# Altium PCB PCB1.PcbDoc (part 2 of 2)
Units mil, origin at the board's own origin, x right, y up, seen from the top; angles counter-clockwise.
Board outline 7330 x 4600 mil, 4 copper layers (Top Layer, GND1, GND2, Bottom Layer), stack 23.756 mil thick; 61 components, 109 nets, 616 pads, 1059 vias.
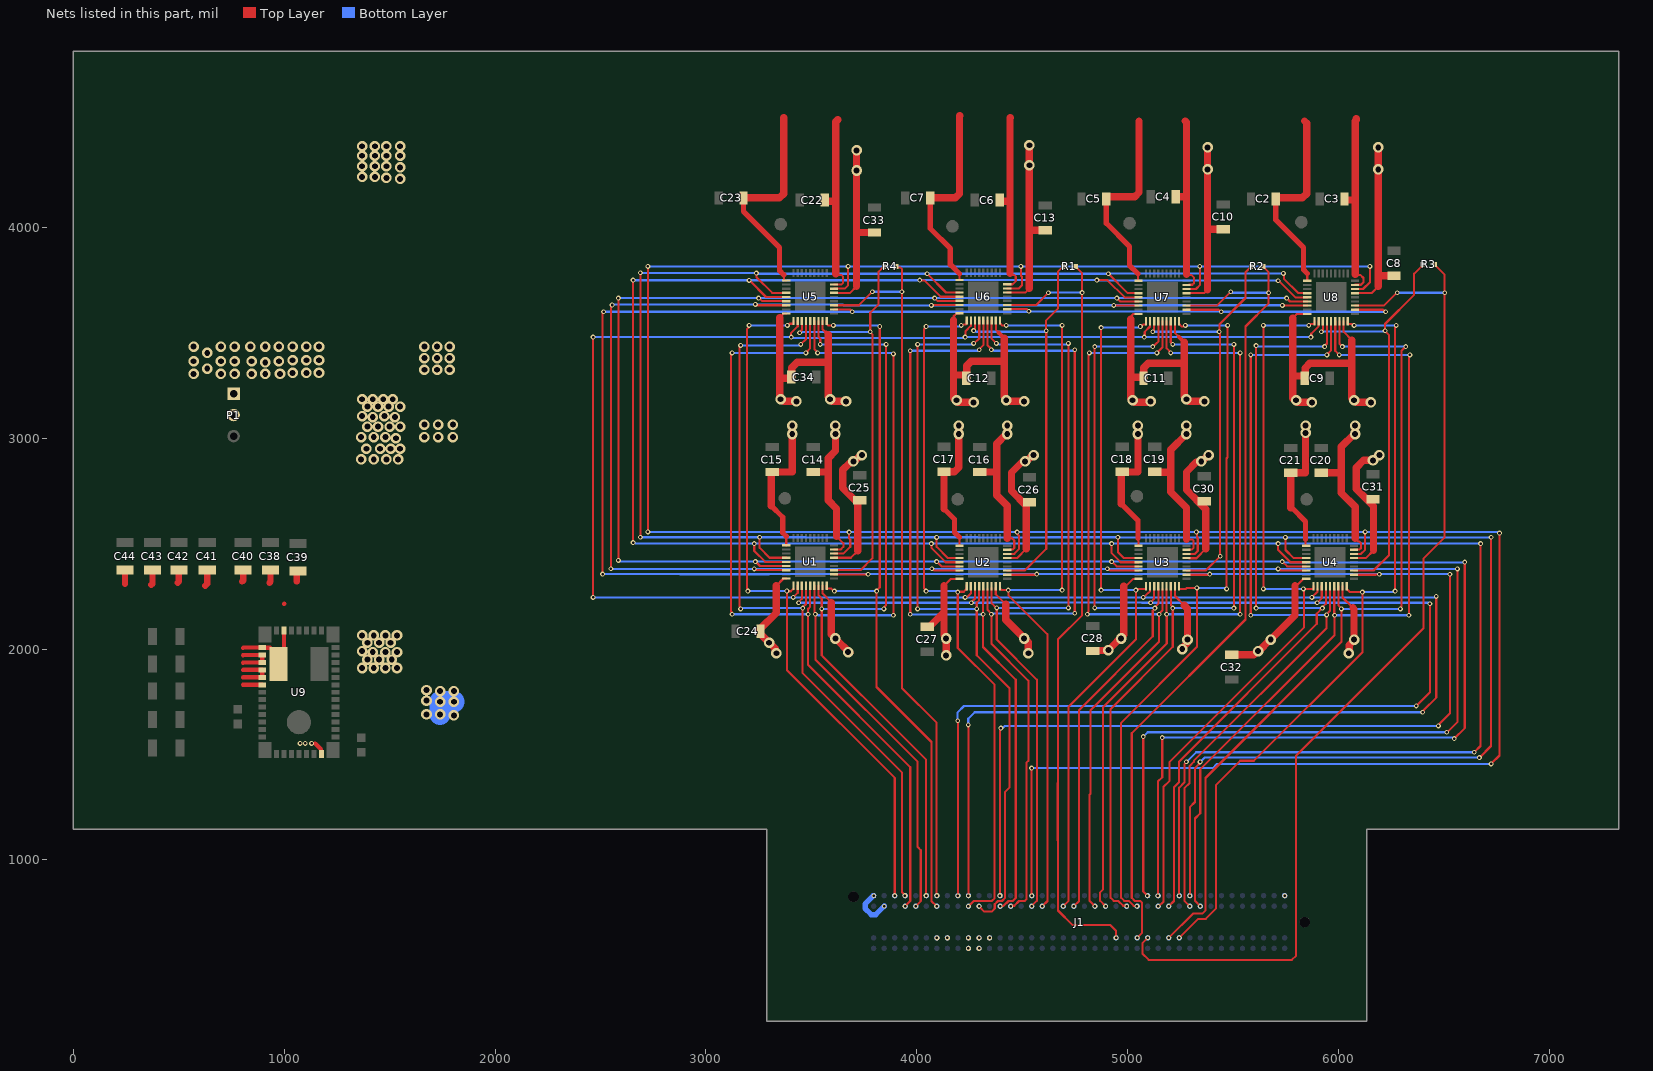
[diagram p4: the nets of this part, all layers, seen from the top]

## Via types
v1: diameter 23, hole 11.9, Top Layer to Bottom Layer, 607 vias
v2: diameter 50/50/50/50 (per signal layer), hole 28, Top Layer to Bottom Layer, 362 vias
v3: diameter 22.1, hole 11.9, Top Layer to Bottom Layer, 76 vias
v4: diameter 23.62, hole 11.81, Top Layer to Bottom Layer, 14 vias

## Nets (pads, with @x,y where several pads share a name; then routed paths per layer and width w, separated by ;. In a path a pad name is that pad's centre, name@x,y a point inside that pad or via, vN(x,y) a via of type N, cw(c..) or ccw(c..) an arc to the next point about the centre after c; other vN are vias at no path point) (continued)
ROW_ADDR<2>_QFN: J1.H10 U1.4 U2.4 U3.4 U4.4 U5.4 U6.4 U7.4 U8.4 | length 12837.9
  Top Layer w10: v1(2690,2530) v1(2690,3785) ; v1(3240,3783.39) 3240,3765 3315.31,3689.69 U5.4@3381.61,3689.69 ; v1(3254.72,2530) 3255,2529.72 3255,2480 3301.93,2433.07 U1.4@3381.61,2433.07 ; v1(4050,3780) 4139.06,3690.95 U6.4@4203.23,3690.95 ; v1(4094.72,2529.72) 4095,2529.45 4095,2485 4148.7,2431.3 U2.4@4202.87,2431.3 ; v1(4910,3780) 5001.93,3688.07 U7.4@5052.87,3688.07 ; v1(4954.73,2530) 4954.73,2460.28 4983.71,2431.29 U3.4@5039.29,2431.29 ; v3(5295.18,830) 5296.03,830.86 5296.03,1249.88 5320.27,1274.12 5320.27,1435.2 5338.51,1453.43 5338.51,1454.73 5345.09,1461.32 v1(5345.09,1464.34) ; v1(5740,3781.77) 5742.14,3779.63 5742.14,3757.2 5811.27,3688.07 U8.4@5852.87,3688.07 ; v1(5749.73,2529.72) 5750,2529.45 5750,2470 5788.7,2431.3 U4.4@5847.87,2431.3 ; v1(6670,1485) 6725,1540 v1(6725,2530)
  Bottom Layer w10: v1(2690,2530) v1(3254.72,2530) 3475.04,2530 3475.32,2529.72 3782.44,2529.72 3782.71,2530 4094.45,2530 v1(4094.72,2529.72) ; v1(2690,3785) 2690.81,3784.19 3239.19,3784.19 3242.14,3781.24 3250.05,3781.24 3251.3,3780 v1(4050,3780) v1(4910,3780) 4910.89,3780.89 5739.11,3780.89 v1(5740,3781.77) ; v1@4094.72,2530 4288.62,2530 4288.89,2529.72 4619.09,2529.72 4619.36,2530 v1(4954.73,2530) 4954.86,2529.86 5749.59,2529.86 v1(5749.73,2529.72) ; v1(5345.09,1464.34) 5365.75,1485 v1(6670,1485) ; v1@5750,2530 5750.14,2529.86 6724.86,2529.86 v1(6725,2530)
ROW_ADDR<3>_QFN: J1.H11 U1.5 U2.5 U3.5 U4.5 U5.5 U6.5 U7.5 U8.5 | length 12964.3
  Top Layer w10: v1(2655,2505) v1(2655,3750) ; v1(3205,3748.74) 3207,3748.74 3285.74,3670 U5.5@3381.61,3670 ; v1(3229.72,2500) 3230,2499.72 3230,2465 3281.61,2413.39 U1.5@3381.61,2413.39 ; v1(4015,3750) 4017.14,3747.86 4037.89,3747.86 4114.48,3671.26 U6.5@4203.23,3671.26 ; v1(4070,2500) 4070,2480 4138.39,2411.61 U2.5@4202.87,2411.61 ; v1(4855,3750.28) 4855.27,3750 4905,3750 4986.61,3668.39 U7.5@5052.87,3668.39 ; v1(4925,2500) 4925,2455 4968.39,2411.61 U3.5@5052.87,2411.61 ; v3(5245.52,830) 5245.52,1342.03 5270.27,1366.78 5270.27,1452.72 5279.76,1462.21 v1(5279.76,1465.24) ; v1(5715,2500) 5715,2470 5773.39,2411.61 U4.5@5847.87,2411.61 ; v1(5715,3747.13) 5717.87,3747.13 5796.61,3668.39 U8.5@5852.87,3668.39 ; v1(6645,1510.28) 6675,1540.28 v1(6675,2500)
  Bottom Layer w10: v1(2655,2505) 2657.14,2502.86 2664.65,2502.86 2667.51,2500 v1(3229.72,2500) ; v1(2655,3750) 2655.63,3749.37 3204.37,3749.37 v1(3205,3748.74) 3205.63,3749.37 4014.37,3749.37 4015.14,3750.14 4015.28,3750 4589.26,3750 4589.53,3750.28 v1(4855,3750.28) ; v1@3230,2500 v1(4070,2500) v1(6675,2500) ; v1@4855,3750 4856.44,3748.56 5713.56,3748.56 v1(5715,3747.13) ; v1(5279.76,1465.24) 5280.98,1465.24 5326.02,1510.28 v1(6645,1510.28)
ROW_ADDR<4>_QFN: J1.H13 U1.6 U2.6 U3.6 U4.6 U5.6 U6.6 U7.6 U8.6 | length 12446.8
  Top Layer w10: v1(2585,2420) v1(2585,3665) ; v1(3235,2415) 3235.65,2415 3256.95,2393.7 U1.6@3381.61,2393.7 ; v1(3250,3665) 3253.03,3665 3267.71,3650.32 U5.6@3381.61,3650.32 ; v1(4085,3665) 4098.43,3651.57 U6.6@4203.23,3651.57 ; v1(4095,2415) 4118.07,2391.93 U2.6@4202.87,2391.93 ; v1(4925,2415) 4926.23,2415 4949.3,2391.92 U3.6@5052.87,2391.93 ; v1(4950,3665) 4966.3,3648.7 U7.6@5052.87,3648.7 ; v3(5145,830) 5145,834.62 5145.14,834.75 5145.14,1372.11 5165,1391.97 v1(5165,1580) ; v1(5734.63,2414.63) 5757.33,2391.93 U4.6@5847.87,2391.93 ; v1(5755,3665) 5771.3,3648.7 U8.6@5852.87,3648.7 ; v1(6550,1575.28) 6550.27,1575.28 6600,1625 v1(6600,2412.03)
  Bottom Layer w10: v1(2585,2420) 2587.14,2417.86 2594.65,2417.86 2597.51,2415 v1(3235,2415) v1(4095,2415) v1(4925,2415) 4925.27,2414.72 5734.73,2414.72 5735,2415 5737.51,2412.49 5740.03,2412.49 5742.51,2410 6597.97,2410 v1(6600,2412.03) ; v1(2585,3665) v1(4950,3665) v1(5755,3665) ; v1(5165,1580) 6542.25,1580 6546.97,1575.28 v1(6550,1575.28)
ROW_ADDR<5>_QFN: J1.H14 U1.7 U2.7 U3.7 U4.7 U5.7 U6.7 U7.7 U8.7 | length 12555.8
  Top Layer w10: v1(2550,2380.55) 2550,3626.97 v1(2555,3631.97) ; v1(3229.72,2380) 3232.75,2380 3238.74,2374.02 U1.7@3381.61,2374.02 ; v1(3235,3635) 3238.03,3635 3242.4,3630.63 U5.7@3381.61,3630.63 ; v1(4070,3630) 4071.89,3631.89 U6.7@4203.23,3631.89 ; v1(4072.14,2380.55) 4075.17,2380.55 4083.47,2372.24 U2.7@4202.87,2372.24 ; v1(4905,2380.55) 4907.14,2378.41 4911.59,2378.41 4917.76,2372.24 U3.7@5052.87,2372.24 ; v1(4935,3630) 4935.98,3629.02 U7.7@5052.87,3629.02 ; v1(5075.1,1584.35) 5075.1,850.08 v3(5095.18,830) ; v1(5715,2380.28) 5718.03,2380.28 5726.06,2372.24 U4.7@5847.87,2372.24 ; v1(5735,3630) 5735.98,3629.02 U8.7@5852.87,3629.02 ; v1(6515,1605.28) 6517.25,1605.28 6565,1653.03 v1(6565,2380)
  Bottom Layer w10: v1(2550,2380.55) 2550.27,2380.27 3229.45,2380.27 v1(3229.72,2380) 3230.27,2380.55 v1(4072.14,2380.55) ; v1(2555,3631.97) 2556.51,3633.49 3233.49,3633.49 v1(3235,3635) 3649.09,3635 3653.77,3630.32 4069.68,3630.32 4070,3630.63 4935,3630.63 v1@5735,3630.63 ; v1@4072.42,2380.27 4072.69,2380.55 5400.98,2380.55 5401.53,2380 5714.73,2380 v1(5715,2380.28) ; v1(5075.1,1584.35) 5096.02,1605.28 v1(6515,1605.28) ; v1@5715,2380 5962.65,2380 5962.99,2380.34 6261.24,2380.34 6261.58,2380 v1(6565,2380)
SAMPLE_CLK_QFN: J1.H31 U1.11 U2.11 U3.11 U4.11 U5.11 U6.11 U7.11 U8.11 | length 12811.5
  Top Layer w10: v1(2465,2245) v1(2465,3480) ; v1(3405,3480) 3405,3500 3435.95,3530.95 U5.11@3435.95,3556.61 ; v1(3415,2245) 3415,2245.61 3435.94,2266.55 U1.11@3435.95,2300 ; v1(4230,3480) 4232.14,3482.14 4232.14,3507.86 4257.55,3533.27 U6.11@4257.56,3557.87 ; v1(4230.27,2245) 4232.42,2247.14 4240.72,2247.14 4257.21,2263.63 U2.11@4257.21,2284.65 ; v1(4244.73,1639.72) 4245.38,1639.07 4245.38,830.65 v3(4246.03,830) ; v1(5075,2245) 5077.14,2245 5097.11,2264.97 5098.54,2264.97 5107.2,2273.62 U3.11@5107.2,2284.65 ; v1(5080,3480) 5082.14,3482.14 5082.14,3504.62 5107.2,3529.68 U7.11@5107.2,3555 ; v1(5870,3480) 5872.14,3482.14 5872.14,3495.34 5907.2,3530.4 U8.11@5907.2,3555 ; v1(5875,2245) 5901.61,2271.61 U4.11@5901.61,2284.65 ; v1(6400,1700) 6400,1703.03 6405.6,1708.62 6405.6,1710.6 6464.73,1769.72 v1(6464.73,2250)
  Bottom Layer w10: v1(2465,2245) v1(3415,2245) v1(4230.27,2245) v1(5075,2245) v1(5875,2245) 6456.7,2245 6461.7,2250 v1(6464.73,2250) ; v1(2465,3480) v1(3405,3480) 3408.03,3480 3413.3,3474.72 4221.7,3474.72 4226.97,3480 v1(4230,3480) v1(5080,3480) v1(5870,3480) ; v1(4244.73,1639.72) 4244.73,1669.72 4275,1700 v1(6400,1700)
SCAN_CHAIN_IN_QFN: J1.H32 U1.12 U2.12 U3.12 U4.12 | length 6888.7
  Top Layer w10: v1(3440,2219.72) 3440,2222.75 3455.63,2238.38 U1.12@3455.63,2300 ; v1(4195,1660) 4195.52,1659.48 4195.52,830.52 v3(4196.03,830) ; v1(4260,2219.72) 4260,2222.75 4276.89,2239.64 U2.12@4276.89,2288.23 ; v1(5110,2219.72) 5110,2222.75 5126.89,2239.64 U3.12@5126.89,2284.65 ; v1(5900,2219.72) 5921.89,2241.61 U4.12@5921.89,2298.23 ; v1(6370,1730) 6435,1795 v1(6435,2215)
  Bottom Layer w10: v1(3440,2219.72) v1(4260,2219.72) 4353.71,2219.72 4353.98,2220 5070,2220 5070.27,2219.72 v1(5110,2219.72) v1(5900,2219.72) ; v1(4195,1660) 4194.73,1660.28 4194.73,1699.72 4225,1730 v1(6370,1730) ; v1@5900.27,2219.72 6427.25,2219.72 6431.97,2215 v1(6435,2215)
SCAN_CHAIN_OUT_PIPE1_QFN: J1.H34 R4.1 U5.21 | length 3420.8
  Top Layer w10: U5.21@3608.39,3630.63 3725.91,3630.63 v1(3790,3694.72) ; R4.1@3904.53,3815 3904.53,3814.41 3908.46,3810.47 3923.08,3810.47 3930,3803.55 v1@3930,3695 ; v1(3930,3694.72) 3930,1815 4095,1650 4095,831.03 v1(4096.03,830)
  Bottom Layer w10: v1(3790,3694.72) v1(3930,3694.72)
SCAN_CHAIN_OUT_PIPE2_QFN: J1.D17 R1.1 U6.21 | length 3845.4
  Top Layer w10: U6.21@4430,3631.89 4566.89,3631.89 4625,3690 v1(4625,3690.28) ; R1.1@4754.53,3815 4754.53,3813.03 4785,3782.56 v1(4785,3690.95) 4785,2160 4670.55,2045.55 4670.55,1364.53 4669.45,1363.43 4669.45,1091.92 4670.4,1090.97 4670.4,819.72 4670.86,819.26 4670.86,769.72 4670.55,769.41 4670.55,759.45 4740,690 4920,690 4946.03,663.97 v3(4946.03,630)
  Bottom Layer w10: v1(4625,3690.28) 4625.34,3690.61 4784.66,3690.61 v1(4785,3690.95)
SCAN_CHAIN_OUT_PIPE3_QFN: J1.D15 R2.1 U7.21 | length 3930
  Top Layer w10: v3(5046.03,630) 5070,653.97 5070,796.23 5061.56,804.67 5035.33,804.67 5020.35,819.65 5020.35,1229.26 5020.55,1229.46 5020.55,1600.55 5560,2140 5560,3530 5670,3640 v1(5670,3690) 5670,3787.56 5644.53,3813.03 R2.1@5644.53,3815 ; U7.21@5279.65,3629.02 5424.29,3629.02 v1(5490,3694.72)
  Bottom Layer w10: v1(5490,3694.72) 5493.03,3694.72 5497.75,3690 v1(5670,3690)
SCAN_CHAIN_OUT_PIPE4_QFN: J1.D14 R3.1 U8.21 | length 4868.8
  Top Layer w10: v3(5096.03,630) 5070.76,604.73 5070.76,555.76 5101.3,525.22 5780.22,525.22 5800,545 5800,1495 6405,2100 6405,2430 6505,2530 v1(6505,3690) 6505,3775 R3.1@6457.5,3822.5 ; U8.21@6079.65,3629.02 6215.94,3629.02 v1@6275,3688.07
  Bottom Layer w10: v1(6280,3690) v1(6505,3690)
SCAN_CHAIN_PIPE1_ROW1TO2_QFN: R4.2 U1.21 U5.12 | length 2019.3
  Top Layer w10: v1(3445,3500) 3445,3503.03 3455.63,3513.66 U5.12@3455.63,3556.61 ; U1.21@3608.39,2374.02 3734.02,2374.02 3790,2430 3790,3492.76 3780,3502.76 3780,3595 3820,3635 3820,3789.53 R4.2@3845.47,3815
  Bottom Layer w10: v1(3445,3500) 3447.14,3502.14 3455.05,3502.14 3455.94,3503.03 3769.84,3503.03 3769.95,3503.13 3777.86,3503.13 v1(3780,3505.28)
SCAN_CHAIN_PIPE2_ROW1TO2_QFN: R1.2 U2.21 U6.12 | length 2002.1
  Top Layer w10: v1(4270.3,3510.27) 4270.3,3511.19 4277.24,3518.13 U6.12@4277.24,3557.87 ; U2.21@4429.65,2372.24 4512.24,2372.24 4615,2475 v1@4615,3510 ; v1@4615,3510.28 4612.86,3512.42 4612.86,3557.86 4670,3615 4670,3789.53 R1.2@4695.47,3815
  Bottom Layer w10: v1(4270.3,3510.27) 4273.33,3510.27 4277.89,3505.72 4280.05,3505.72 4280.77,3505 4607.25,3505 4611.97,3509.72 v1(4615,3509.72)
SCAN_CHAIN_PIPE3_ROW1TO2_QFN: R2.2 U3.21 U7.12 | length 1995.6
  Top Layer w10: v1(5120,3505.28) 5120,3508.3 5126.89,3515.19 U7.12@5126.89,3555 ; U3.21@5279.65,2372.24 5371.73,2372.24 5439.77,2440.28 v1(5440,2440.28) 5440,3497.25 5435,3502.25 v1(5435,3505.28) ; v1@5435,3505 5437.14,3507.14 5437.14,3542.14 5560,3665 5560,3787.56 5585.47,3813.03 R2.2@5585.47,3815
  Bottom Layer w10: v1(5120,3505.28) 5120.14,3505.14 5434.86,3505.14 v1(5435,3505.28)
SCAN_CHAIN_PIPE4_ROW1TO2_QFN: R3.2 U4.21 U8.12 | length 2014.3
  Top Layer w10: v1(5920.51,3504.77) 5920.51,3507.79 5926.89,3514.17 U8.12@5926.89,3555 ; U4.21@6074.65,2372.24 6167.24,2372.24 6241.27,2446.28 6241.27,3487.71 6221.97,3507.01 v1(6221.97,3509.72) 6221.97,3541.97 6360,3680 6360,3780 6396.54,3816.54 6396.54,3821.06 R3.2@6400.47,3825
  Bottom Layer w10: v1(5920.51,3504.77) 5922.65,3506.91 5930.56,3506.91 5930.67,3507.01 6211.35,3507.01 6211.92,3507.58 6219.83,3507.58 v1(6221.97,3509.72)
SCANOUT_CLK_QFN: J1.H28 U1.20 U2.20 U3.20 U4.20 U5.20 U6.20 U7.20 U8.20 | length 13650.2
  Top Layer w10: v1(2510,2355.28) 2510,3591.97 2515,3596.97 v1(2515,3600) ; U1.20@3608.39,2354.33 v1@3769.99,2354.33 ; U5.20@3608.39,3610.95 3684.05,3610.95 v1(3695,3600) ; v3(4395.18,830.65) 4395.18,1617.15 4400,1621.97 v1(4400,1625) ; U2.20@4429.65,2352.56 4564.26,2352.56 4566.97,2355.28 v1(4570,2355.28) ; U6.20@4430,3612.2 4522.8,3612.2 v1(4532.88,3602.12) ; U3.20@5279.65,2352.56 5379.88,2352.56 5380.46,2353.13 5388.37,2353.13 v1(5390.51,2355.28) ; U7.20@5279.65,3609.33 5432.64,3609.33 5441.97,3600 v1(5445,3600) ; U4.20@6074.65,2352.56 6175.39,2352.56 6175.76,2352.93 6192.86,2352.93 v1(6195,2355.07) ; U8.20@6079.65,3609.33 6212.64,3609.33 6221.97,3600 v1(6225,3600) ; v1(6475,1635) 6475,1638.03 6480.6,1643.62 6480.6,1645.6 6530,1695 v1(6530,2354.72)
  Bottom Layer w10: v1(2510,2355.28) 2877.41,2355.27 2877.96,2354.72 3298.98,2354.72 3299.53,2355.27 3770,2355.27 v1(4570,2355.28) 5390,2355.28 5515,2355.28 5515.27,2355 6194.93,2355 v1(6195,2355.07) ; v1(2515,3600) v1(3695,3600) 4530.75,3600 v1(4532.88,3602.12) 4533.94,3601.06 5443.94,3601.06 v1(5445,3600) v1(6225,3600) ; v1(4400,1625) 4402.14,1627.14 4409.65,1627.14 4417.51,1635 v1(6475,1635) ; v1@6195.27,2355.28 6195.41,2355.14 6529.59,2355.14 v1(6530,2354.72)
  other v1: 3770,2355
SCL: J1.C30
  other v1: 4296.03,580
SDA: J1.C31
  other v1: 4246.03,580
TCK: J1.D29
  other v1: 4346.03,630
TDI: J1.D30
  other v1: 4296.03,630
TDO: J1.D31
  other v1: 4246.03,630
TMS: J1.D33
  other v1: 4146.03,630
TRST_L: J1.D34
  other v1: 4096.03,630
VADJ: C2.1 C3.1 C4.1 C5.1 C6.1 C7.1 C14.1 C15.1 C16.1 C17.1 C18.1 C19.1 C20.1 C21.1 C22.1 C23.1 J1.G39 J1.H40 P1.1 U1.1 U1.26 U2.1 U2.26 U3.1 U3.26 U4.1 U4.26 U5.1 U5.26 U6.1 U6.26 U7.1 U7.26 U8.1 U8.26 | length 13607.3
  Top Layer w10: 3370,3775 3370,3749.33 3370.59,3748.74 U5.1@3381.61,3748.74 ; U1.1@3381.61,2492.13 3381.61,2535 ; U1.26@3608.39,2472.44 3640.2,2472.44 3652.76,2485 3652.76,2502.24 3620,2535 ; U5.26@3608.39,3729.06 3643.08,3729.06 3650,3735.97 3650,3768.08 3643.08,3775 3620.04,3775 3615.61,3779.43 ; U2.1@4202.87,2490.35 4202.87,2530 ; U6.1@4203.23,3750 4203.23,3780 ; 4430,2525.59 4452.32,2525.59 4462.91,2515 4462.91,2479.33 4454.83,2471.26 U2.26@4443.23,2471.26 ; U6.26@4430,3730.32 4455.31,3730.32 4470,3745 4470,3768.08 4463.08,3775 4437.99,3775 4442.7,3779.71 4442.7,3781.28 ; 5050,2525 5052.87,2522.13 U3.1@5052.87,2490.35 ; 5050,3780 5050,3747.72 5050.59,3747.13 U7.1@5052.87,3747.13 ; U7.26@5279.65,3727.44 5292.64,3727.44 5293.23,3728.03 5308.03,3728.03 5315,3735 5315,3763.08 5303.08,3775 5283.4,3775 5280,3778.4 ; 5280,2521.04 5281.04,2520 5307.13,2520 5314.05,2513.08 5314.05,2480.47 5304.83,2471.26 U3.26@5293.23,2471.26 ; 5845,2520 5845,2490.94 5845.59,2490.35 U4.1@5847.87,2490.35 ; U8.1@5852.87,3747.13 5852.87,3781.77 ; U4.26@6074.65,2470.67 6075.24,2471.26 6099.83,2471.26 6107.91,2479.33 6107.91,2501.38 6099.28,2510 6095,2510 6080,2525 ; U8.26@6079.65,3727.44 6080.24,3728.03 6108.03,3728.03 6120,3740 6120,3760 6105,3775 6083.4,3775 6080,3778.4
  Top Layer w25: C23.1@3179.06,4140 3179.06,4075.94 3350,3905 3350,3795 3370,3775 ; 3310,2680.01 3365,2625.01 3365,2551.61 3381.61,2535 ; C7.1@4064.06,4140 4064.06,3995.94 4160,3900 4160,3823.23 4203.23,3780 ; 4130,2665.62 4180,2615.62 4180,2552.87 4202.87,2530 ; C5.1@4900,4135 4900,4020 5010,3910 5010,3820 5050,3780 ; 4970,2690 4970.35,2690 5050,2610.35 5050,2525 ; C2.1@5704.06,4135 5704.06,4035 5835,3904.06 5835,3799.65 5852.87,3781.77 ; 5775,2670 5780.35,2670 5845,2605.35 5845,2520
  Top Layer w35: C23.1@3179.06,4140 3349.5,4140 3370,4160.5 3370,4520 ; 3310,2680.01 3310,2837.81 3312.19,2840 C15.1@3315,2840 3410,2840 v2(3410,3060) ; C14.1@3510,2840 3580,2840 ; C22.1@3564.06,4130 3564.06,4127.19 3566.24,4125 3615.61,4125 ; v2(3615,3060) v2(3615,3020) 3615,2940 3580,2905 3580,2840 ; 3615.61,3779.43 3615.61,4125 ; 3620,2535 3620,2665.94 3580,2705.94 3580,2840 ; 3625,4510 3615.61,4500.61 3615.61,4125 ; C7.1@4064.06,4140 4182.73,4140 4203.23,4160.5 4203.23,4528.23 4205,4530 ; 4130,2665.62 C17.1@4130,2838.76 ; C17.1@4130,2840.94 4179.5,2840.94 4200,2861.45 v2@4200,3065 ; C16.1@4300,2840 4380,2840 ; C6.1@4394.06,4130 4394.06,4127.19 4396.24,4125 4442.7,4125 ; 4430,2525.59 4430,2680 4380,2730 4380,2840 ; v2(4430,3060) v2(4430,3020) 4425.94,3020 4380,2974.06 4380,2840 ; 4442.7,3781.28 4442.7,4125 ; 4445,4520 4442.7,4517.7 4442.7,4125 ; C5.1@4900,4135 4900,4142.81 4902.19,4145 5034.5,4145 5055,4165.5 5055,4505 ; 4970,2690 4970,2838.76 4971.24,2840 5050,2840 v2(5050,3020) v2(5050,3060) ; C19.1@5130,2840.94 5132.19,2838.76 5201.87,2838.76 5205.62,2835 ; C4.1@5229.06,4145 5280,4145 ; 5275,4505 5280,4500 5280,4145 ; 5280,2521.04 5280,2670.62 5205.62,2745 5205.62,2835 ; v2(5280,3060) v2(5280,3020) 5205.62,2945.62 5205.62,2835 ; 5280,3778.4 5280,4145 ; C2.1@5704.06,4135 5704.06,4137.81 5706.24,4140 5829.5,4140 5850,4160.5 5850,4495 5840,4505 ; 5775,2670 C21.1@5775,2835.94 5845,2835.94 v2(5845,3025) v2(5845,3060) ; C20.1@5920,2835.94 6009.06,2835.94 6015,2830 ; C3.1@6030,4135 6030,4132.19 6032.19,4130 6080,4130 ; 6080,2525 6080,2675 6015,2740 6015,2830 ; v2(6080,3060) v2(6080,3020) 6075.94,3020 6015,2959.06 6015,2830 ; 6080,3778.4 6080,4130 ; 6085,4515 6085,4510 6080,4505 6080,4130
  Bottom Layer w25: v3(3795.98,830) 3755.84,789.87 3755.84,769.16 3785,740 3806.03,740 v3(3846.03,780)
  Bottom Layer w100: v2(1740,1690) v2(1740,1750) ; v2@1750,1750 v2(1805,1750)
  other v2: 1805,1685 1675,1690 1675,1755 1740,1800 1805,1800 1675,1805 1665,3005 1730,3005 1800,3005 3410,3020 4200,3020 4200,3060 1665,3065 1730,3065 1800,3065 570,3305 700,3305 765,3305 845,3305 910,3305 980,3305 1040,3310 1105,3310 1165,3310 1665,3325 1725,3325 1785,3325 635,3330 910,3360 570,3365 700,3365 765,3365 845,3365 975,3365 1040,3370 1105,3370 1165,3370 1665,3380 1725,3380 1785,3380 635,3405 570,3435 700,3435 765,3435 840,3435 910,3435 975,3435 1040,3435 1105,3435 1165,3435 1665,3435 1725,3435 1785,3435
VDD0P9_QFN: C8.1 C9.1 C10.1 C11.1 C12.1 C13.1 C24.1 C25.1 C26.1 C27.1 C28.1 C30.1 C31.1 C32.1 C33.1 C34.1 C38.1 C39.1 C40.1 C41.1 C42.1 C43.1 C44.1 P1.2 U1.9 U1.17 U1.24 U2.9 U2.17 U2.24 U3.9 U3.17 U3.24 U4.9 U4.17 U4.24 U5.9 U5.17 U5.24 U6.9 U6.17 U6.24 U7.9 U7.17 U7.24 U8.9 U8.17 U8.24 U9.21 U9.24 U9.25 U9.26 U9.27 U9.28 U9.29 U9.44 U9.47 | length 16218.7
  Top Layer w10: 3335,2301.02 3368.62,2334.65 U1.9@3381.61,2334.65 ; 3350,3572.64 3368.62,3591.26 U5.9@3381.61,3591.26 ; U1.17@3554.05,2300 3554.05,2263.15 3595,2222.2 3595,2220 ; U5.17@3554.05,3556.61 3554.06,3515.94 3570,3500 ; U1.24@3608.39,2433.07 3688.07,2433.07 3720,2465 ; U5.24@3608.39,3689.69 3684.69,3689.69 3715,3720 ; 4130,2300 4162.87,2332.87 U2.9@4202.87,2332.87 ; 4175,3560.63 4175,3577.28 4190.24,3592.52 U6.9@4203.23,3592.52 ; U2.17@4375.31,2288.23 4375.31,2259.68 4423.18,2211.82 ; U6.17@4375.67,3557.87 4375.67,3514.33 4390,3500 ; U2.24@4429.65,2431.3 4476.3,2431.3 4520,2475 ; U6.24@4430,3690.95 4430.59,3690.36 4447.88,3690.36 4515.35,3690.35 4535,3710 ; 4982.65,2297.86 4984.79,2300 4995,2300 5027.87,2332.87 U3.9@5052.87,2332.87 ; 5020,3570 5020,3582.14 5026.92,3589.06 5052.28,3589.06 U7.9@5052.87,3589.65 ; U7.17@5225.31,3555 5225.31,3499.68 5245,3480 ; U3.17@5225.67,2297.87 5225.67,2251.26 5270,2206.93 ; U7.24@5279.65,3688.07 5363.07,3688.07 5375,3700 ; U3.24@5293.23,2430.83 5327.57,2430.83 5371.73,2475 ; 5785,3570 5804.65,3589.65 U8.9@5852.87,3589.65 ; 5795,2300 5802.01,2300 U4.9@5834.29,2332.28 ; U4.17@6020.31,2298.23 6020.31,2244.68 6070,2195 ; U8.17@6025.31,3555 6025.31,3504.68 6065,3465 ; U4.24@6074.65,2431.3 6131.3,2431.3 6167.24,2467.24 ; U8.24@6079.65,3688.07 6158.07,3688.07 6190,3720
  Top Layer w20: 805,1830.43 U9.29@895.79,1830.43 ; 805,1865 805.87,1865.87 U9.28@895.79,1865.87 U9.27@895.79,1901.3 806.3,1901.3 805,1900 ; 805,1935 806.73,1936.73 U9.26@895.79,1936.73 U9.25@895.79,1972.17 807.17,1972.17 805,1970 ; 805,2005 807.6,2007.6 U9.24@895.79,2007.6 897.6,2005.79 932.05,2005.79 972.56,1965.28 U9.47@972.56,1927.87 999.13,1954.45 U9.21@999.13,2087.32 ; 999.13,2214.13 1000,2215 ; 1145,1552.09 1147.24,1552.09 1174.49,1524.84 1174.49,1504.49 U9.44@1176.3,1502.68 ; 3570,3500 3580,3490 ; 4390,3500 4415,3475 ; 5245,3480 5270,3455 ; 5375,3700 5380,3705
  Top Layer w30: 245,2310 C44.1@245,2375.04 ; 370,2305 375,2310 C43.1@375,2375.04 ; 495,2315 500,2320 C42.1@500,2375.04 ; 625,2300 635,2310 C41.1@635,2375.04 ; 800,2320 805,2325 C40.1@805,2375.04 ; 930,2315 935,2320 C38.1@935,2375.04 ; 1060,2320 1060,2365.04 C39.1@1065,2370.04
  Top Layer w35: v2@3330,1980 3330,2002.24 3259.06,2073.19 C24.1@3259.06,2085 3259.06,2096.81 3335,2172.76 3335,2301.02 ; 3350,3572.64 3350,3285 ; v2@3433.84,3175 v2(3430,3175) 3370.5,3175 3350,3195.5 3350,3285 ; 3580,3490 3580,3360 ; 3595,2220 3595,2205 3594.5,2204.5 3594.5,2070.5 v2(3615,2050) v2@3682.5,1982.5 ; v2@3668.71,3175 v2(3665,3175) 3600.5,3175 3580,3195.5 3580,3360 ; v2(3700,2890) 3695.94,2890 3688.44,2882.5 3682.5,2882.5 3650,2850 3650,2763.63 3705.5,2708.13 3727.81,2708.13 C25.1@3730,2705.94 ; v2@3701.56,2887.5 3702.5,2887.5 v2@3740,2925 ; 3715,3720 3715,3975 ; v2(3715,4365) v2(3715,4270) 3715,3975 ; 3720,2465 C25.1@3720,2705.94 ; C33.1@3800,3975.94 3715.94,3975.94 3715,3975 ; C27.1@4061.81,2105 4064,2107.19 4064,2109 4130,2175 ; 4130,2300 4130,2175 ; v2(4140,1970) v2(4140,2050) 4140,2054.06 4130,2064.06 4130,2175 ; 4175,3560.63 4175,3300 ; v2@4266.88,3170 4195.5,3170 4175,3190.5 4175,3300 ; 4415,3475 4415,3365 ; 4423.18,2139.33 4423.18,2211.82 ; 4425.32,2137.19 4530,2032.51 v2@4530,2000 ; v2@4508.18,3175 4435.5,3175 4415,3195.5 4415,3365 ; v2(4515,2890) 4512.13,2887.13 4499.63,2887.13 4450,2837.5 4450,2750 4520,2680 4520,2475 ; v2@4516.56,2887.5 4517.5,2887.5 v2@4555,2925 ; 4535,3710 4535,3980 ; v2(4535,4390) v2(4535,4295) 4535,3980 ; C13.1@4610,3985.94 4540.94,3985.94 4535,3980 ; C28.1@4835,1990.94 4837.03,1992.97 4907.97,1992.97 v2(4910,1995) ; v2@4915,2000 4982.86,2067.86 4982.86,2297.65 4982.65,2297.86 ; 5015,3565 5015,3290 ; C11.1@5073.76,3290 5015,3290 ; C11.1@5075.94,3285 5078.13,3287.19 5078.13,3334.5 5098.63,3355 5270,3355 ; v2@5116.17,3170 5035.5,3170 5015,3190.5 5015,3290 ; v2(5260,2000) 5260,2004.06 5282.13,2026.19 5282.13,2042.13 v2(5285,2045) 5285,2191.93 5270,2206.93 ; 5270,3455 5270,3355 ; v2@5369.24,3175 v2(5365,3175) 5290.5,3175 5270,3195.5 5270,3355 ; 5371.73,2475 5371.73,2663.27 5280,2755 5280,2840 5327.13,2887.13 5347.13,2887.13 v2(5350,2890) 5352.5,2890 5380.37,2917.87 v2@5385,2917.87 ; 5380,3705 5380,3990 ; v2@5380,4385 v2(5380,4380) v2(5380,4275) 5380,3990 ; C10.1@5455,3990.94 5380.94,3990.94 5380,3990 ; C32.1@5495,1973.11 5599.05,1973.11 5615.94,1990 v2(5620,1990) 5622.5,1990 5677.5,2045 v2(5680,2045) 5795,2160 5795,2300 ; 5785,3570 5785,3295 ; v2@5871.54,3170 5805.5,3170 5785,3190.5 5785,3295 ; v2(6050,1980) 6052.87,1982.87 6052.87,2018.81 6075,2040.94 v2(6075,2045) 6075,2190 6070,2195 ; 6065,3465 6065,3350 ; v2(6155,3170) 6085.5,3170 6065,3190.5 6065,3350 ; 6167.24,2467.24 6167.24,2677.76 6085,2760 6085,2860 6120,2895 v2(6165,2895) v2@6195,2925 ; 6190,3720 6190,3770 ; v2(6190,4380) v2(6190,4275) 6190,3770 ; C8.1@6265,3770.94 6264.06,3770 6190,3770 ; 3350,3285 3403.76,3285 3405.94,3287.19 C34.1@3405.94,3290 3408.13,3292.19 3408.13,3335 3433.13,3360 3580,3360 ; 4175,3300 4220.94,3300 4221.95,3299 4233.76,3299 4235.94,3296.81 C12.1@4235.94,3285 4238.13,3287.19 4238.13,3344.5 4258.63,3365 4415,3365 ; 5785,3295 5838.76,3295 5840.94,3292.81 C9.1@5840.94,3285 5843.13,3287.19 5843.13,3333.13 5865,3355 6060,3355 6065,3350
  other v1: 1075,1552.5 1100,1552.09 1130,1552.09
  other v2: 1370,1910 1425,1910 1480,1910 1535,1910 1395,1950 1450,1950 1510,1950 3335,1980 4530,1980 1420,1985 1480,1985 1535,1985 3675,1985 1370,1990 1395,2030 1450,2030 1505,2030 3300,2030 4510,2050 4970,2050 1370,2065 1425,2065 1480,2065 1535,2065 1365,2900 1425,2900 1485,2900 1540,2900 3740,2920 4555,2920 5385,2920 6195,2920 1390,2950 1455,2950 1505,2950 1550,2950 1530,3000 1365,3005 1425,3005 1480,3005 1395,3055 1445,3055 1500,3055 1550,3055 1420,3100 1525,3100 1370,3105 1475,3105 1395,3150 1445,3150 1495,3150 1550,3150 4270,3170 5875,3170 4510,3175 5110,3175 4190,3180 4425,3180 5025,3180 5800,3180 6075,3180 1370,3185 1420,3185 1470,3185 1515,3185 3355,3185 3590,3185 5280,3185 1550,4230 1485,4235 1370,4240 1430,4240 1550,4285 1370,4290 1430,4290 1485,4290 1370,4340 1430,4340 1485,4340 1550,4340 1370,4385 1430,4385 1485,4385 1550,4385
VREF_A_M2C: J1.H1
  other v3: 5746.03,830
WEIGHT<0>_PIPE1_QFN: J1.H37 U1.13 U5.13 | length 3634.3
  Top Layer w10: v1(3165,2190.28) 3162.86,2192.42 3162.86,2199.93 3160,2202.79 3160,3431.97 3165,3436.97 v1(3165,3440) ; v1(3450,3445) 3450.96,3445 3475.32,3469.35 U5.13@3475.32,3556.61 ; v1(3460,2194.45) 3459.2,2193.65 3459.2,1885.8 3930,1415 3930,847.75 3944.72,833.03 v1(3944.72,830) ; v1@3460,2198.3 3475.32,2213.62 U1.13@3475.32,2300
  Bottom Layer w10: v1(3165,2190.28) 3168.03,2190.28 3172.2,2194.45 v1(3460,2194.45) ; v1(3165,3440) 3441.97,3440 3446.97,3445 v1(3450,3445)
WEIGHT<0>_PIPE2_QFN: J1.G30 U2.13 U6.13 | length 3639.4
  Top Layer w10: v1(4005,2190) v1(4005,3445) ; v1(4270,3450) 4273.03,3450 4287.42,3464.39 4288.58,3464.39 4296.93,3472.74 U6.13@4296.93,3557.87 ; v1(4285,2190) 4285.27,2190.28 4285.27,2220.2 4296.57,2231.49 U2.13@4296.57,2284.65 ; v1@4285.27,2190 4285.27,1969.72 4440,1815 4440,1342.22 4420,1322.22 4420,820 4404.98,804.98 4385.78,804.98 4370.76,789.95 4370.76,768.98 4355.95,754.17 4321.31,754.17 v3(4296.03,779.45)
  Bottom Layer w10: v1(4005,2190) v1(4285,2190) ; v1(4005,3445) 4261.97,3445 4266.97,3450 v1(4270,3450)
WEIGHT<0>_PIPE3_QFN: J1.G21 U3.13 U7.13 | length 3604.4
  Top Layer w10: v3(4746.03,780) 4770,803.97 4770,1710 5120,2060 5120,2182.25 5130,2192.25 v1(5130,2194.45) 5130,2198.3 5146.91,2215.22 U3.13@5146.91,2284.65 ; v1(4844.72,3435) 4844.73,2195.28 v1(4845.27,2194.72) ; v1(5120,3435) 5123.03,3435 5137.77,3449.74 5138.22,3449.74 5146.57,3458.09 U7.13@5146.57,3555
  Bottom Layer w10: v1(4844.72,3435) v1(5120,3435) ; v1(4845.27,2194.72) 4845.55,2194.45 v1(5130,2194.45)
WEIGHT<0>_PIPE4_QFN: J1.G12 U4.13 U8.13 | length 3825.2
  Top Layer w10: v3(5196.03,780) 5220.7,804.67 5220.7,1345.04 5244.45,1368.79 5244.45,1465.67 5897.9,2119.12 5897.9,2167.35 v1(5925,2194.45) 5925,2197.48 5941.57,2214.05 U4.13@5941.57,2284.65 ; v1(5610.27,2194.45) 5610.27,2804.38 5610.55,2804.65 5610.55,3409.41 5610.27,3409.68 v1(5610.27,3439.73) ; v1(5935,3435) 5935,3438.03 5946.57,3449.6 U8.13@5946.57,3555
  Bottom Layer w10: v1(5610.27,3439.73) 5613.3,3439.73 5618.03,3435 v1(5935,3435) ; v1(5610.27,2194.45) v1(5925,2194.45)
WEIGHT<1>_PIPE1_QFN: J1.G37 U1.14 U5.14 | length 3849.4
  Top Layer w10: v1(3125,2165) 3122.86,2167.14 3122.86,2174.65 3120,2177.51 3120,3396.97 3125,3401.97 v1(3125,3405) ; v1(3475,3405) 3475,3406.32 3495,3426.32 U5.14@3495,3556.61 ; U1.14@3495,2300 3495,2200.12 3485,2190.12 v1(3485,2165) 3485,1925 3970,1440 3970,805 v1(3945,780)
  Bottom Layer w10: v1(3125,2165) v1(3485,2165) ; v1(3125,3405) v1(3475,3405)
WEIGHT<1>_PIPE2_QFN: J1.G28 U2.14 U6.14 | length 3700.9
  Top Layer w10: v1(3970,2165) v1(3970,3415) v1@3970,3420 ; v1(4296.93,3420) 4296.93,3421.95 4316.61,3441.63 U6.14@4316.61,3557.87 ; U2.14@4316.26,2284.65 4316.26,2223.35 4315,2222.09 v1(4315,2165) 4315,2009.96 4470,1854.96 4470,818.94 4455.88,804.83 4435.75,804.83 4412.38,781.45 4398,781.45 v3(4396.03,779.49)
  Bottom Layer w10: v1@3965,2164.72 4314.73,2164.72 v1(4315,2165) ; v1(3970,3415) 4288.9,3415 4293.9,3420 v1(4296.93,3420)
WEIGHT<1>_PIPE3_QFN: J1.G19 U3.14 U7.14 | length 3723.8
  Top Layer w10: v1(4810.27,2165) 4812.42,2167.14 4812.42,2174.93 4815,2177.51 4815,3392.64 4817.31,3394.95 4817.31,3402.86 v1(4819.45,3405) ; v3(4846.03,780) 4820.15,805.88 4820.15,840.47 4820.7,841.02 4820.7,1309.68 4825.55,1314.53 4825.55,1710.55 5150,2035 v1(5150,2165) 5150,2168.03 5166.59,2184.62 U3.14@5166.59,2284.65 ; v1(5140,3405) 5166.26,3431.26 U7.14@5166.26,3555
  Bottom Layer w10: v1(4810.27,2165) v1(5150,2165) ; v1(4819.45,3405) v1(5140,3405)
WEIGHT<1>_PIPE4_QFN: J1.G10 U4.14 U8.14 | length 3940.3
  Top Layer w10: v3(5296.03,780) 5270.35,805.68 5270.35,1339.02 5294.73,1363.4 5294.73,1444.46 5315.37,1465.11 5315.37,1470.37 5945,2100 v1(5945,2162.01) 5945,2165.04 5961.25,2181.29 U4.14@5961.25,2298.22 ; v1(5585.27,2160) 5585,2160.28 5585,3394.72 v1(5585.27,3395) ; v1(5946.57,3395) 5946.57,3396.95 5966.26,3416.63 U8.14@5966.26,3555
  Bottom Layer w10: v1(5585.27,2160) 5586.28,2161.01 5943.99,2161.01 v1(5945,2162.01) ; v1(5585.27,3395) v1(5946.57,3395)
WEIGHT<2>_PIPE1_QFN: J1.G36 U1.15 U5.15 | length 3860.6
  Top Layer w10: v1@3514.68,2173.34 U1.15@3514.68,2300 ; U5.15@3514.68,3556.61 3514.68,3423.34 3530,3408.03 v1(3530,3405) ; v1(3520,2165) 3520,1950 4005,1465 4005,1061 4019.77,1046.23 4019.77,803.84 v1(3995.93,780) ; v1(3890,2160) v1(3890,3400)
  Bottom Layer w10: v1(3520,2165) 3522.14,2162.86 3529.65,2162.86 3532.51,2160 v1(3890,2160) ; v1(3530,3405) 3881.97,3405 3886.97,3400 v1(3890,3400)
WEIGHT<2>_PIPE2_QFN: J1.G27 U2.15 U6.15 | length 3836.8
  Top Layer w10: U2.15@4335.94,2284.65 4335.94,2186.81 4354.73,2168.03 v1(4354.73,2165) ; U6.15@4336.3,3557.87 4336.3,3441.73 4355,3423.03 v1(4355,3420) ; v1@4355,2165 4355,2025 4530.27,1849.72 4530.27,1470.28 4520.35,1460.35 4520.35,1129.08 4520.55,1128.88 4520.55,812.49 4512.88,804.83 4485.75,804.83 4462.89,781.97 4448,781.97 v3(4446.03,780) ; v1(4750,2170) v1(4750,3420)
  Bottom Layer w10: v1(4354.73,2165) 4357.75,2165 4362.2,2169.45 4749.45,2169.45 v1(4750,2170) ; v1(4355,3420) 4357.14,3417.86 4364.65,3417.86 4367.51,3415 4741.97,3415 4746.97,3420 v1(4750,3420)
WEIGHT<2>_PIPE3_QFN: J1.G18 U3.15 U7.15 | length 3722.2
  Top Layer w10: v1(4896.03,780) 4870.7,805.33 4870.7,845.63 4885,859.93 4885,1725 5186.3,2026.3 5186.3,2164.65 v1(5185.94,2165) 5186.27,2165.33 U3.15@5186.27,2284.65 ; U7.15@5185.94,3555 5185.94,3426.63 5205.63,3406.95 v1(5205.63,3405) ; v1(5534.73,2165) v1(5534.72,3405)
  Bottom Layer w10: v1(5185.94,2165) v1(5534.73,2165) ; v1(5205.63,3405) v1(5534.72,3405)
WEIGHT<2>_PIPE4_QFN: J1.G9 U4.15 U8.15 | length 3887.6
  Top Layer w10: v3(5346.03,780) 5320.7,805.33 5320.7,1196.16 5345.55,1221.01 5345.55,1429.06 5982.97,2066.48 v1(5982.97,2160) 5980.95,2162.01 U4.15@5980.95,2284.65 ; U8.15@5985.94,3555 5985.94,3414.68 v1@6005.63,3395 ; v1(6335,2160) 6335,3390 v1(6340,3395)
  Bottom Layer w10: v1(5982.97,2160) v1(6335,2160) v1@6340,2160 ; v1(6005,3395) v1(6340,3395)
WEIGHT<3>_PIPE1_QFN: J1.H35 U1.16 U5.16 | length 3662.4
  Top Layer w10: U5.16@3534.37,3556.61 3534.37,3480.12 3542.86,3471.63 3542.86,3445.27 v1(3543.13,3445) ; U1.16@3534.37,2300 3534.38,2254.99 3550,2239.37 v1(3550,2190.28) 3550,1970 3560,1960 3925,1595 4045.04,1474.96 v1(4045.04,830.52) ; v1(3845,2190) 3847.14,2192.14 3847.14,2199.65 3855,2207.51 v1(3855,3445)
  Bottom Layer w10: v1(3543.13,3445) v1(3855,3445) ; v1(3550,2190.28) 3550.14,2190.14 3844.86,2190.14 v1(3845,2190)
WEIGHT<3>_PIPE2_QFN: J1.G25 U2.16 U6.16 | length 3667
  Top Layer w10: U2.16@4355.62,2288.22 4355.62,2216.52 4377.42,2194.72 v1(4380,2194.72) 4380,2045 4570.2,1854.8 4570.2,806.05 4546.03,781.88 v3(4546.03,780) ; U6.16@4355.98,3557.87 4355.98,3472.15 v1(4378.13,3450) ; v1(4720,2194.72) v1(4720,3450)
  Bottom Layer w10: v1(4378.13,3450) 4380.27,3447.86 4387.78,3447.86 4390.64,3445 4711.97,3445 4716.97,3450 v1(4720,3450) ; v1(4380,2194.72) v1(4720,2194.72)
WEIGHT<3>_PIPE3_QFN: J1.G16 U3.16 U7.16 | length 3641.2
  Top Layer w10: v3(4996.03,780) 4994.06,781.97 4979.92,781.97 4957.06,804.83 4955.81,804.83 4955.46,805.17 4934.89,805.17 4920.35,819.72 4920.35,1263.36 4919.45,1264.26 4919.45,1714.45 5215,2010 v1(5215,2194.45) 5215,2198.3 5205.99,2207.31 U3.16@5205.99,2297.87 ; U7.16@5205.63,3555 5205.63,3454.37 v1(5215,3445) ; v1(5505,2194.45) v1(5505,3445)
  Bottom Layer w10: v1(5215,2194.45) v1(5505,2194.45) ; v1(5215,3445) v1(5505,3445)
WEIGHT<3>_PIPE4_QFN: J1.D12 U4.16 U8.16 | length 4000.9
  Top Layer w10: v3(5196.03,630) 5311.03,745 5355,745 5370.86,760.86 5370.86,819.17 5370.35,819.68 5370.35,1388.38 6015,2033.03 v1(6015,2190) 6015,2193.03 6000.63,2207.4 U4.16@6000.63,2298.23 ; U8.16@6005.63,3555 6005.63,3449.37 v1(6020,3435) ; v1(6295,2190) 6297.14,2192.14 6297.14,2199.65 6300,2202.51 6300,3415 v1(6320,3435)
  Bottom Layer w10: v1(6015,2190) v1(6295,2190) ; v1(6020,3435) v1(6320,3435)
WEIGHT<4>_PIPE1_QFN: J1.H38 U1.10 U5.10 | length 3371.9
  Top Layer w10: v1(3200,2275) 3197.86,2277.14 3197.86,2284.65 3195,2287.51 3195,3517.49 3202.86,3525.35 3202.86,3532.86 v1(3205,3535) ; v1(3386.87,3535) 3389.9,3535 3397.93,3543.03 3415.67,3543.03 3416.26,3543.62 U5.10@3416.26,3556.61 ; U1.10@3415.67,2286.42 3403.31,2274.06 3386.22,2274.06 v1(3385,2275.28) 3385,1900 3896.03,1388.97 v1(3896.03,830.52)
  Bottom Layer w10: v1(3200,2275) 3200.14,2275.14 3384.86,2275.14 v1(3385,2275.28) ; v1(3205,3535) v1(3386.87,3535)
WEIGHT<4>_PIPE2_QFN: J1.G31 U2.10 U6.10 | length 3352.2
  Top Layer w10: v1(4044.72,3530) 4044.72,3527.21 4035,3517.49 4035,2287.51 4045,2277.51 v1(4045,2275) ; v1@4195,2270 4195,2005 4369.95,1830.05 4369.95,818.17 4356.5,804.73 4270.76,804.73 v3(4246.03,780) ; v1(4195,2270.28) 4196.66,2271.93 4224.22,2271.93 U2.10@4236.93,2284.65 ; 4222.51,3540 4232.99,3540 4237.87,3544.88 U6.10@4237.87,3557.87 ; U2.10@4237.53,2284.65 U2.10@4237.53,2302.87
  Bottom Layer w10: v1@4040,2270 v1(4045,2275) 4189.73,2275 4194.73,2270 v1(4195,2270.28) ; v1(4044.72,3530) 4203.84,3530 4208.84,3535 v1(4211.87,3535)
WEIGHT<4>_PIPE3_QFN: J1.G22 U3.10 U7.10 | length 3338.3
  Top Layer w10: v3(4695.68,780) 4695.93,780 4720.05,804.12 4720.05,1725.05 5040,2045 v1(5040,2280) 5043.03,2280 5047.67,2284.65 5086.93,2284.65 5087.52,2285.24 U3.10@5087.52,2298.23 ; v1(4875,2280) v1(4875,3525) ; v1@5070,3535 5075,3540 5085.51,3540 5087.52,3542.01 U7.10@5087.52,3555
  Bottom Layer w10: v1(4875,2280) 4930.04,2280 4930.59,2279.45 4995.47,2279.45 4996.02,2280 v1(5040,2280) ; v1(4875,3525) 5053.84,3525 5058.84,3530 v1(5061.87,3530)
WEIGHT<4>_PIPE4_QFN: J1.G13 U4.10 U8.10 | length 3552.9
  Top Layer w10: v3(5146.03,780) 5148.82,780 5163.08,794.27 5164.09,794.27 5171.05,801.23 5171.05,1346.05 5200,1375 5200,1465 5836.73,2101.73 5836.73,2283.27 v1(5835,2285) 5881.93,2285 5881.93,2297.64 U4.10@5882.52,2298.23 ; v1(5645,2285) v1(5645,3535) ; v1(5860,3535) 5866.42,3541.42 5886.93,3541.42 5887.52,3542.01 U8.10@5887.52,3555
  Bottom Layer w10: v1(5645,2285) v1(5835,2285) ; v1(5645,3535) v1(5860,3535)
WEIGHT<5>_PIPE1_QFN: J1.G34 U1.18 U5.18 | length 3399.5
  Top Layer w10: U1.18@3573.74,2300 3573.74,2287.01 3574.33,2286.42 3595.56,2286.42 3606.97,2275 v1(3610,2275) ; U5.18@3573.74,3556.61 3573.74,3541.92 3580.66,3535 v1(3605,3535) ; v1(3825,3530) 3825,2293.03 3810,2278.03 3810,1830 3809.89,1829.89 3809.89,1820.11 4070.76,1559.24 4070.76,804.24 v1(4095,780)
  Bottom Layer w10: v1(3605,3535) 3816.97,3535 3821.97,3530 v1(3825,3530) ; v1(3610,2275) v1(3810,2275)
WEIGHT<5>_PIPE2_QFN: J1.G24 U2.18 U6.18 | length 3453.2
  Top Layer w10: U2.18@4395,2288.23 4403.23,2280 v1(4435,2280) 4435,2255 4620,2070 4620,1364.53 4620.75,1363.78 4620.75,804.72 v3(4596.03,780) ; U6.18@4395.35,3557.87 4395.35,3544.88 4406.27,3533.97 4423.97,3533.97 v1(4425,3535) ; v1(4690,2280) v1(4690,3535)
  Bottom Layer w10: v1(4425,3535) v1(4690,3535) ; v1(4435,2280) v1(4690,2280)
WEIGHT<5>_PIPE3_QFN: J1.G15 U3.18 U7.18 | length 3442.3
  Top Layer w10: v3(5045.18,779.84) 5043.21,781.81 5029.33,781.81 5005.96,805.17 4984.54,805.17 4970,819.72 4970,1650 5330,2010 v1(5330,2290) 5282.68,2290 5277.33,2284.65 U3.18@5245.59,2284.65 ; U7.18@5245,3555 5245,3542.01 5257.46,3529.55 5266.52,3529.55 5271.97,3535 v1(5275,3535) ; v1(5470,2285) 5470,2903.93 5475,2908.93 v1(5475,3535)
  Bottom Layer w10: v1(5275,3535) v1(5475,3535) ; v1(5330,2290) 5461.97,2290 5466.97,2285 v1(5470,2285)
WEIGHT<5>_PIPE4_QFN: J1.D11 U4.18 U8.18 | length 3803.7
  Top Layer w10: v3@5246.03,631.03 5335.18,720.18 5371.31,720.18 5420.86,769.72 5420.86,1355.86 5535,1470 5600,1470 6115,1985 v1(6115,2270.28) 6054.96,2270.28 U4.18@6040.59,2284.65 ; U8.18@6045,3555 6045,3542.01 6045.59,3541.42 6065.56,3541.42 6071.97,3535 v1(6075,3535) ; v1(6270,2275) 6270,3526.97 6275,3531.97 v1(6275,3535)
  Bottom Layer w10: v1(6075,3535) v1(6275,3535) ; v1(6115,2270.28) 6262.25,2270.28 6266.97,2275 v1(6270,2275)
  other v3: 5246.03,630
WEIGHT_EN_QFN: J1.H25 U1.25 U2.25 U3.25 U4.25 U5.25 U6.25 U7.25 U8.25 | length 13894.4
  Top Layer w10: v1(2725,2555.27) v1(2725,3815) ; U1.25@3608.39,2452.76 3652.76,2452.76 3685,2485 3685,2519.88 3680,2524.88 v1(3680,2555) ; U5.25@3608.39,3709.37 3659.37,3709.37 3675.11,3725.11 3675.11,3734.89 3675,3735 v1(3675,3815) ; U2.25@4429.65,2450.98 4442.64,2450.98 4443.23,2451.57 U2.25@4447.52,2451.57 ; U6.25@4430,3710.63 4485.63,3710.63 4500,3725 4500,3765.99 4495,3770.99 v1(4495,3815) ; U2.25@4447.53,2451.58 4462.99,2451.58 4485,2473.59 4485,2538.39 4478.45,2544.95 4478.45,2552.86 v1(4476.3,2555) ; v3(4545.38,830.28) 4545.23,830.42 4545.23,1434.61 v1(4545.62,1435) ; U3.25@5279.65,2450.98 5280.12,2450.51 5319.41,2450.51 5333.73,2464.82 5333.73,2526.28 5329.71,2530.29 5329.71,2553 v1(5327.57,2555.14) ; U7.25@5279.65,3707.76 5325.31,3707.76 5345,3727.44 5345,3813.13 v1(5343.13,3815) ; U4.25@6074.65,2450.98 6107.39,2450.98 6127.59,2471.18 v1(6127.59,2555.28) ; U8.25@6079.65,3707.76 6117.76,3707.76 6151.23,3741.22 v1@6151.23,3815 ; v1(6725,1455) 6765,1495 v1(6765,2550)
  Bottom Layer w10: v1(2725,2555.27) 3679.73,2555.27 v1(3680,2555) 4107.33,2555 4107.6,2554.72 4128.54,2554.72 4128.81,2555 v1(4476.3,2555) 4476.58,2555.28 5327.43,2555.28 v1(5327.57,2555.14) ; v1(2725,3815) v1(6150,3815) ; v1(4545.62,1435) 5405,1435 5425,1455 v1(6725,1455) ; v1@5327.57,2555 5760.19,2555 5760.47,2554.72 5941.31,2554.72 5941.58,2555 6127.31,2555 v1(6127.59,2555.28) ; v1@6127.73,2555.14 6127.86,2555.28 6756.7,2555.28 6761.97,2550 v1(6765,2550)
pads on no net: C26.2 J1. U1.37 U2.37 U3.37 U4.37 U5.37 U6.37 U7.37 U8.37 U9.3 U9.4 U9.5 U9.6 U9.8 U9.9 U9.15 U9.16 U9.18 U9.19 U9.20 U9.22 U9.23 U9.30 U9.31 U9.32 U9.33
copper on no net: | length 78.7
  Top Layer w10: 1032.76,2085.51 1034.57,2087.32 ; 1105.43,2087.32 1111.34,2093.23 ; 1205.83,2094.21 1231.42,2068.62
  Top Layer w20: 908.58,2068.62 927.28,2087.32 ; 963.7,2087.32 965.51,2085.51 ; 1242.4,1655.08 1244.21,1653.27

## Polygon pours and split planes (outlines as drawn)
VDD0P9_QFN on Bottom Layer "VDD0P9_QFN_L04_P025" (solid, pour order 25): 1340,2940 1340,2870 6385,2870 6385,2940
VADJ on Bottom Layer "VADJ_L04_P033" (solid, pour order 33): 3612.83,780.27 3712.83,680.27 3817.83,680.27 3857.83,720.27 3857.83,775.27 3832.83,775.27 3802.83,745.27 3794.37,745.27 3756.1,783.54 3807.83,835.27 3807.83,1415.27 3365,1830.71 3365,1623.11 3612.83,1375.27
VDD0P9_QFN on Bottom Layer "VDD0P9_QFN_L04_P031" (solid, pour order 31): 1430,1895 1430,1570 1055,1570 1055,1535 1555,1535 1580,1560 1580,1900
VDD0P9_QFN on Bottom Layer "VDD0P9_QFN_L04_P030" (solid, pour order 30): 1335,3220 1335,2870 1575,2870 1575,3220
VADJ on Bottom Layer "VADJ_L04_P028" (solid, pour order 28): 1840,3470 1840,3270 795,3270 510,3270 510,3470
VDD0P9_QFN on Bottom Layer "VDD0P9_QFN_L04_P026" (solid, pour order 26): 1335,3220.63 1335,3135 6390,3135 6390,3220.63
VDD0P9_QFN on Bottom Layer "VDD0P9_QFN_L04_P024" (solid, pour order 24): 1320,4420 1320,4200 6410,4200 6410,4420
VDD0P9_QFN on Bottom Layer "VDD0P9_QFN_L04_P023" (solid, pour order 23): 1330,2095 1330,1890 6155,1890 6155,2084.29
VADJ on Bottom Layer "VADJ_L04_P021" (solid, pour order 21): 1620,1830 1620,1615 3377.83,1615 3374.58,1830
12P0V on Bottom Layer "12P0V_L04_P004" (solid, pour order 4): 3485,1440 3560,1365 3560,290 3375,290 3375,1225 3370,1230 180,1230 180,1440
VADJ on Bottom Layer "VADJ_L04_P017" (solid, pour order 17): 1625,3085 1625,2995 6390,2995 6390,3085
12P0V on Bottom Layer "12P0V_L04_P014" (solid, pour order 14): 180,1230 320,1230 320,2120 180,2120
12P0V on Bottom Layer "12P0V_L04_P003" (solid, pour order 3): 4070,510 4070,290 3410,290 3410,510
VDD0P9_QFN on Top Layer "VDD0P9_QFN_L01_P032" (solid, pour order 32): 1055,1570 1055,1535 1055.83,1534.17 1150,1534.17 1150,1570
VADJ on Top Layer "VADJ_L01_P029" (solid, pour order 29): 1200,3470 1200,3270 805,3270 805,3170 525,3170 525,3470
VDD0P9_QFN on Top Layer "VDD0P9_QFN_L01_P027" (solid, pour order 27): 845,3225 845,3145 670,3145 670,3065 1450,3065 1450,3225
GND on Top Layer "GND_L01_P022" (solid, pour order 22): 175,3040 175,2555 1165,2555 1165,3040
VADJ on Top Layer "VADJ_L01_P018" (solid, pour order 18): 1840,4625 6415,4625 6415,4460 6410,4455 1840,4455 1840,1627.5 1635,1627.5 1635,4625
VDD0P9_QFN on Top Layer "VDD0P9_QFN_L01_P020" (solid, pour order 20): 1332.47,1870 1580,1870 1580,4420 1332.47,4420
VDD0P9_QFN on Top Layer "VDD0P9_QFN_L01_P019" (solid, pour order 19): 185,2330 185,2170 1580,2170 1580,2330
12P0V on Top Layer "12P0V_L01_P016" (solid, pour order 16): 180,1750 340,1750 340,1435 341.01,1433.99 850,1433.99 850,1248.99 180,1248.99
12P0V on Top Layer "12P0V_L01_P015" (solid, pour order 15): 180,2120 340,2120 340,1745 180,1745
GND on Top Layer "GND_L01_P010" (solid, pour order 10): 540,1575 540,2100 705,2100 705,1575
VDD0P9_QFN on Top Layer "VDD0P9_QFN_L01_P009" (solid, pour order 9): 835,1820 1020,1820 1020,2020 835,2020 835,2185 735,2185 735,1820
GND on Top Layer "GND_L01_P008" (solid, pour order 8): 540,1590 970,1590 970,1475 540,1475
12P0V on Top Layer "12P0V_L01_P007" (solid, pour order 7): 990,1515 990,1430 1115,1430 1115,1515
12P0V on Top Layer "12P0V_L01_P006" (solid, pour order 6): 990,1433.99 990,1520 1115,1520 1115,1433.99 1527.7,1433.99 1527.7,1253.99 1522.7,1248.99 842.7,1248.99 842.7,1433.99
GND on GND1 "GND_L02_P011" (solid, pour order 11): 6080,1180 7275,1180 7275,4765 65,4765 65,1225 3375,1225 3375,325 6080,325
GND on GND2 "GND_L03_P013" (solid, pour order 13): 7275,4755 7275,4460 7275,1175 6190,1175 6095,1175 6095,320 3375,320 3370,315 3370,1220 60,1220 60,4755

## Silkscreen, mask and mechanical layers (free items; w line width, h text height)
Top Overlay:
  circle w15: c5850,2710 r45
  circle w15: c5045,2725 r46.1
  circle w15: c4195,2710 r48.61
  circle w15: c3375,2715 r50
  circle w15: c5825,4025 r46.1
  circle w15: c5010,4020 r49.5
  circle w15: c4170,4005 r47.17
  circle w15: c3355,4015 r49.53
  region: 6563.86,1977.39 6563.86,1978.68 6565.15,1978.68 6565.15,1977.39
  lines w15: 2865,2710 3325,2710 ; 2895,4015 3305,4015 ; 3185,3825 3195,3825 3805,3825 3805,3775 3960,3775 3960,3825 4650,3825 4650,3785 4650,3770 4795,3770 4795,3855 4780.94,3855 4772.81,3855 4753.75,3855 4691.25,3855 4672.19,3855 4664.06,3855 4650,3855 4650,3815 ; 3404.53,4020 4115,4020 ; 3425,2705 4145,2705 ; 3805,3810 3805,3850 3960,3850 3960,3815 ; 4217.09,4025 4959.92,4025 ; 4245,2720 5000,2720 ; 4795,3825 5540,3825 5540,3850 5685,3850 5685,3780 5643.75,3780 5581.25,3780 5540,3780 5540,3820 ; 5059.5,4030 5775.39,4030 ; 5090,2705 5805,2705 ; 5685,3825 5690,3825 6365,3825 ; 6365,3780 6365,3865 6500,3865 6500,3780 6365,3780
  text "COBI CHIP FPGA INTERFACE" at 120,4490 h60
  text "FREQ OUT PADS >" at 1990,3985 h60
  text "N. GALLAGHER                J. SWEENEY                 A. SKAUGE               C. ANDERSON           S. CHAMPLIN" at 110,3920 h60
  text "SCAN CHAIN 2ND ROW BYPASS RESISTORS >" at 960,3780 h60
  text "Feb. 2023" at 130,3690 h60
  text "1.8 V" at 135,3215 h60
  text "0.9 V" at 125,3095 h60
  text "GND" at 125,2965 h60
  text "FREQ OUT PADS >" at 1950,2680 h60
Bottom Overlay:
  drawing of 2 lines, arcs and shapes, not listed